# Altium PCB MCH_MAIN.PCBDOC (part 6 of 14) (continued)
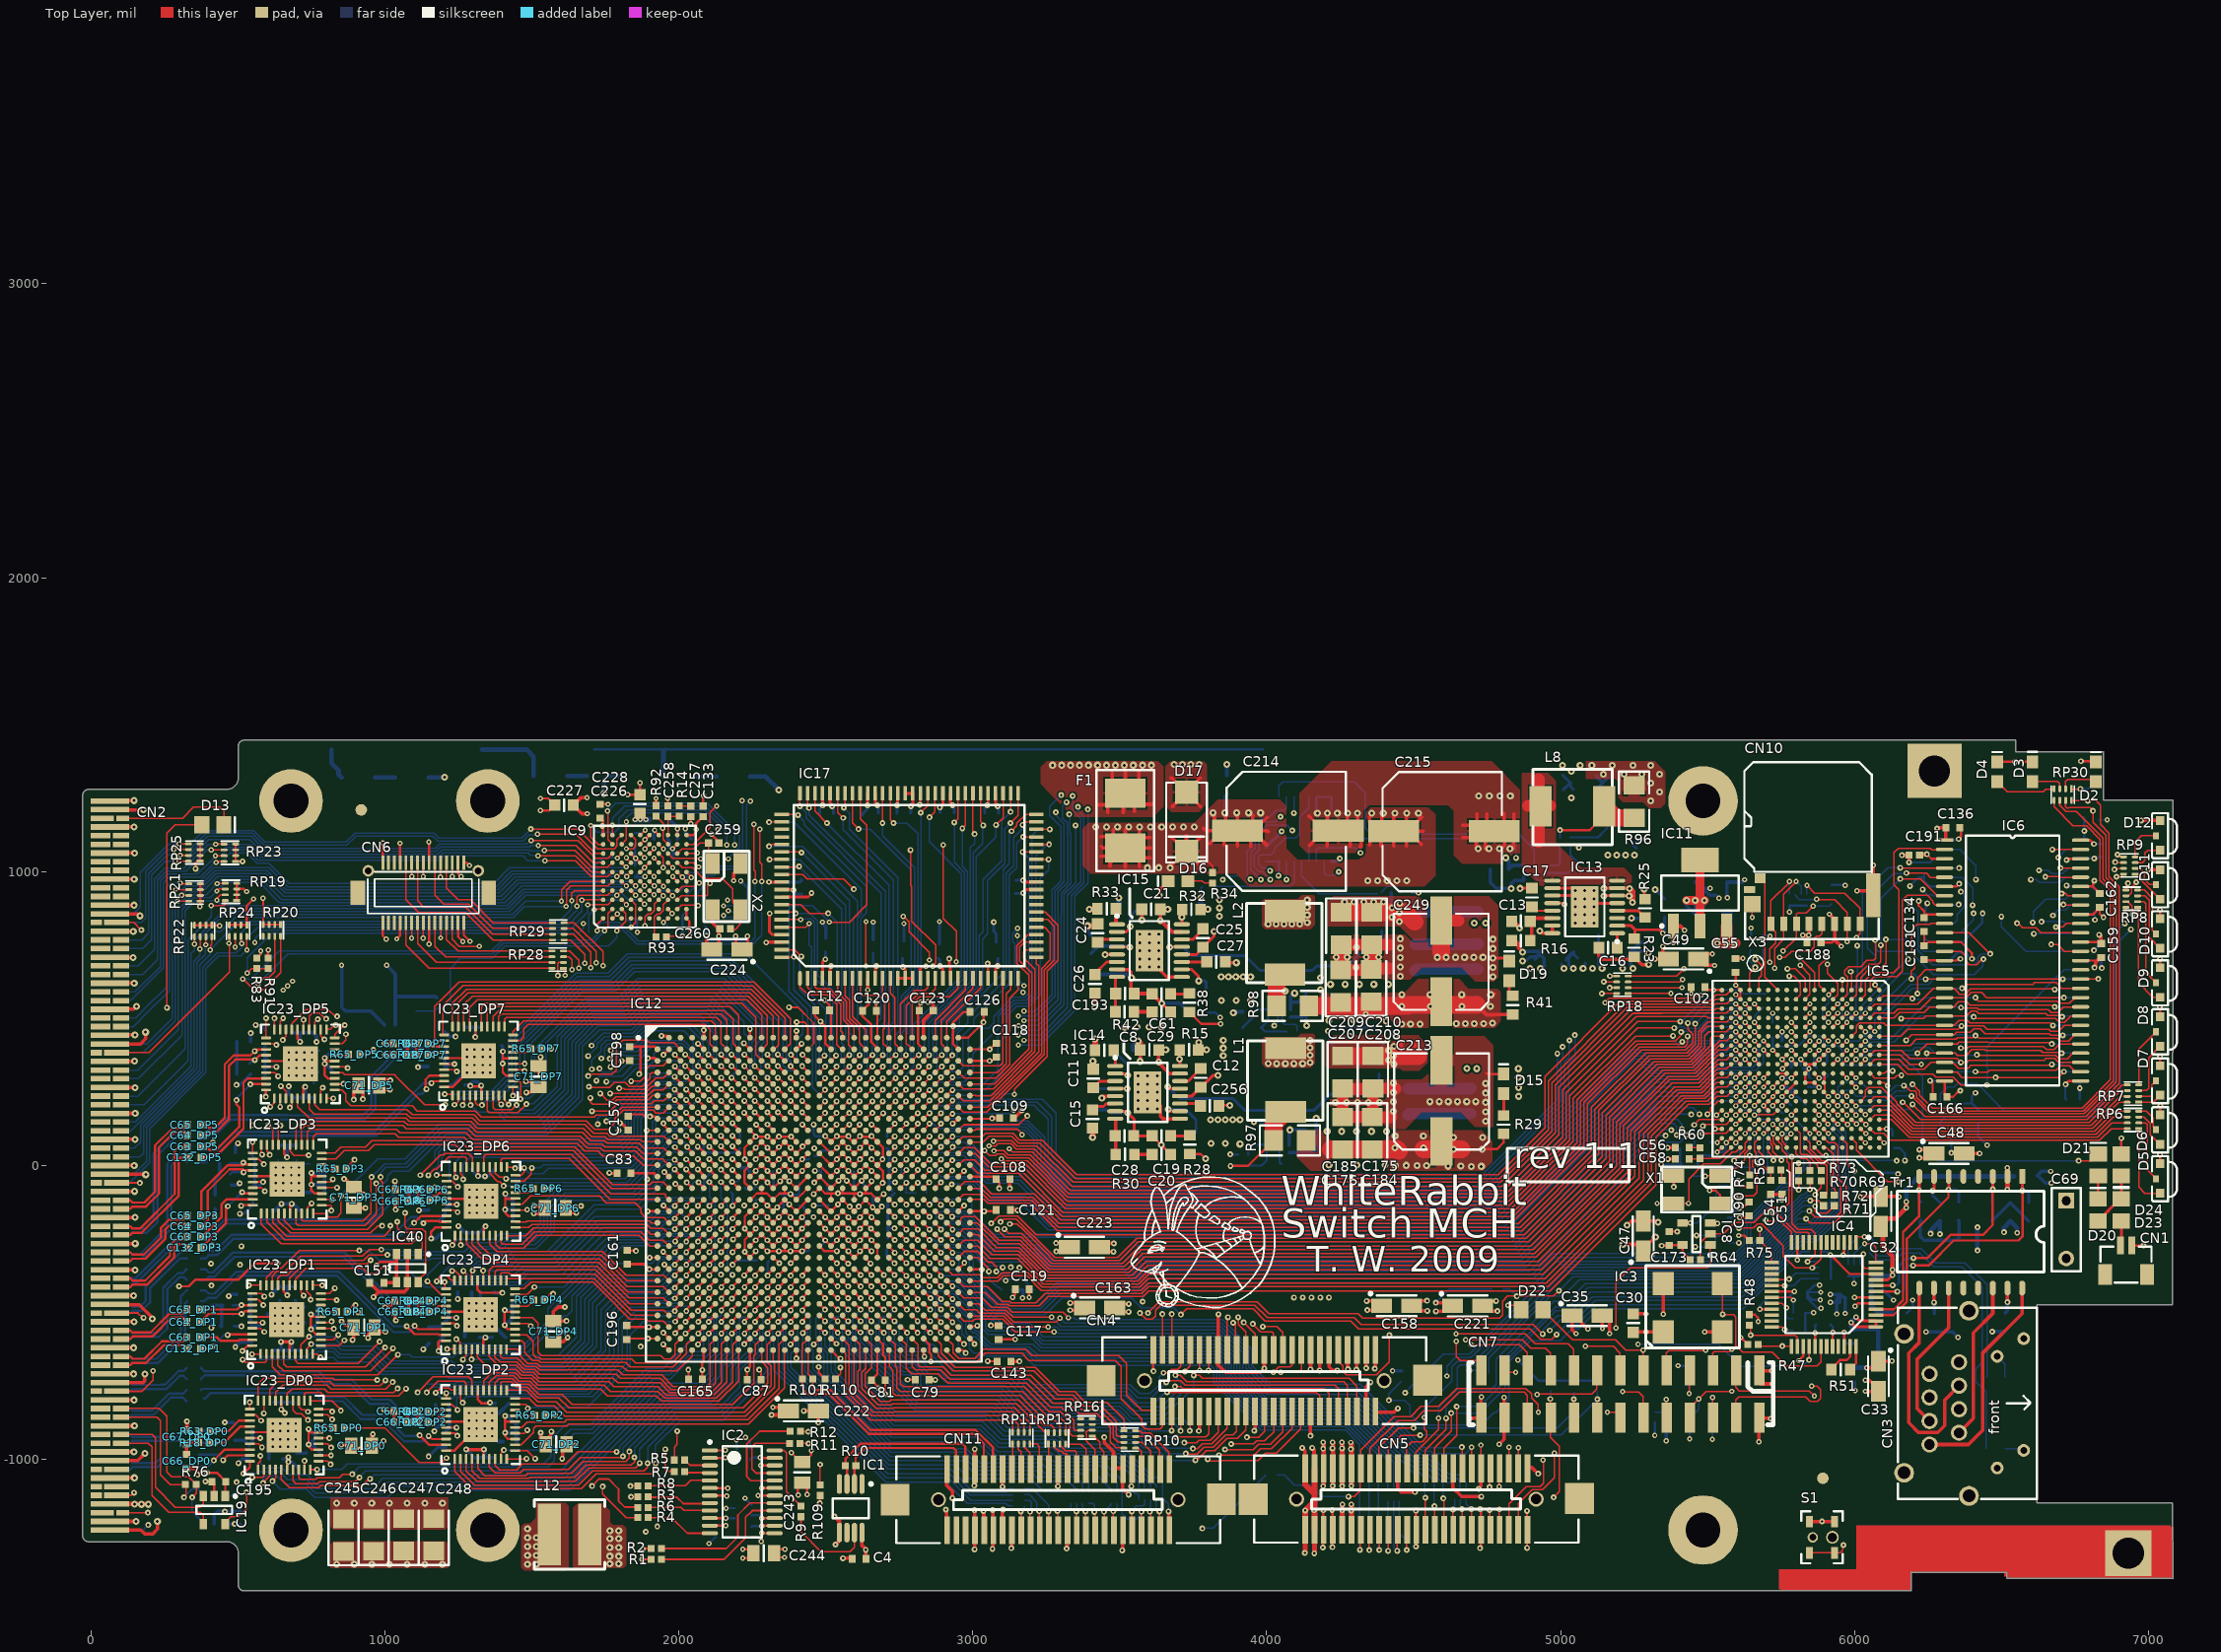
[diagram p0: Top Layer view]
## Nets (pads, with @x,y where several pads share a name; then routed paths per layer and width w, separated by ;. In a path a pad name is that pad's centre, name@x,y a point inside that pad or via, vN(x,y) a via of type N, cw(c..) or ccw(c..) an arc to the next point about the centre after c; other vN are vias at no path point) (continued)
DP1_TD8: IC12.T7 IC23_DP1.11 | length 1590.2
  Top Layer w5: IC23_DP1.11@783.12,-613.21 843.59,-613.21 v1@860.89,-595.91
  Top Layer w8: v1@2142.03,-179.45 2161.8,-159.69 IC12.T7@2161.8,-157.72
  MidLayer1 w5: v1(862.44,-594.62) 863.96,-594.62 864.8,-593.78 864.8,-592.5 1020.5,-436.8 1368.2,-436.8 1409.7,-395.3 1504.65,-395.3 1506.35,-393.6 1531.1,-393.6 1659,-265.7 1701.4,-265.7 1794,-173.1 1955.4,-173.1 1974,-154.5 2118.07,-154.5 v1@2144,-180.44
  other v1: 2143.4,-178.7
DP1_TD9: IC12.R7 IC23_DP1.12 | length 1600.3
  Top Layer w5: IC23_DP1.12@783.12,-593.53 824.77,-593.53 836.23,-582.07 836.23,-581.38 841.37,-576.24 v1(841.59,-576.24)
  Top Layer w8: v1@2142.03,-138.11 IC12.R7@2161.8,-118.35
  MidLayer1 w5: v1(841.59,-576.24) 841.37,-576.46 841.37,-577.85 841.7,-578.18 v1@846.6,-573.3 ; v1@844.17,-575.73 v1@846.6,-573.3 ; v1(2144,-137.13) 2125.27,-118.4 1827.3,-118.4 1692.6,-253.1 1648.2,-253.1 1517.7,-383.6 1402.2,-383.6 1360.69,-425.11 1008.54,-425.11 979.1,-454.55 979.1,-454.93 917.23,-516.8 903.1,-516.8 v1@846.6,-573.3
DP2_RD0: IC12.AD4 IC23_DP2.29 | length 1059.1
  Top Layer w5: IC23_DP2.29@1257.3,-764.43 1257.3,-797.02 v1@1266.16,-805.87
  Top Layer w8: v1@2027.86,-492.44 2027.86,-488.51 IC12.AD4@2043.69,-472.68
  Bottom Layer w5: v1(1265.2,-807.1) 1265.2,-799.3 1277.95,-786.55 1362,-786.55 ; 1366.96,-786.55 1362,-786.55 ; 1978.65,-512.13 1993.6,-512.13 ; v1(2025.89,-495.4) 2009.16,-512.13 1993.6,-512.13 ; 1362,-786.55 1706.55,-786.55 1706.95,-786.55 1824,-669.5 1824,-544.3 1856.17,-512.13 1993.6,-512.13
DP2_RD1: IC12.AC3 IC23_DP2.28 | length 1261.7
  Top Layer w5: v1(1142.6,-771.7) 1180.2,-734.1 1269.2,-734.1 1277.05,-741.95 IC23_DP2.28@1277.05,-764.36
  Top Layer w8: v1@1986.52,-453.07 v1(1986.52,-452.09) 1986.52,-451.11 IC12.AC3@2004.32,-433.31
  Bottom Layer w5: v1(1142.6,-771.7) 1159.6,-754.7 1240.17,-754.7 1248.33,-746.55 1661.75,-746.55 1763.8,-644.5 1763.8,-503.9 1808.04,-459.66 1884.28,-459.66 1884.52,-459.9 1961.4,-459.9 1969.21,-452.09 v1(1986.52,-452.09)
DP2_RD2: IC12.AB4 IC23_DP2.27 | length 1414.4
  Top Layer w5: v1(1111.8,-771.7) 1164.8,-718.7 1284.2,-718.7 1296.74,-731.24 IC23_DP2.27@1296.74,-764.36
  Top Layer w8: v1@2024.41,-415.18 2043.69,-395.91 IC12.AB4@2043.69,-393.94
  Bottom Layer w5: v1(1111.8,-771.7) 1137.8,-745.7 1137.8,-745.5 1139.8,-743.5 1237.23,-743.5 1244.18,-736.55 1644.75,-736.55 1750.8,-630.5 1750.8,-496.1 1798.8,-448.1 1948.4,-448.1 1955.56,-448.1 1968.3,-435.36 2007.19,-435.36 v1(2025.89,-416.66)
DP2_RD3: IC12.AG8 IC23_DP2.25 | length 1104.4
  Top Layer w5: IC23_DP2.25@1336.11,-764.36 1336.11,-732.79 1363.6,-705.3 1443.8,-705.3 1462,-723.5 1497.37,-723.5 1521.28,-747.42 1746.52,-747.42 1767.6,-768.5 1928.94,-768.5 1951.94,-791.5 2128,-791.5 2183,-736.5 2183,-608.96 IC12.AG8@2203.14,-588.82
DP2_RD4: IC12.AH8 IC23_DP2.24 | length 1052.6
  Top Layer w5: IC23_DP2.24@1355.79,-764.36 1355.79,-737.91 1378.4,-715.3 1438.43,-715.3 1456.63,-733.5 1493.23,-733.5 1521.01,-761.29 1734.99,-761.29 1757.8,-784.1 1924.4,-784.1 1941.8,-801.5 2063,-801.5 2135.6,-801.5 2203.14,-733.96 IC12.AH8@2203.14,-628.19
DP2_RD5: IC12.AG10 IC23_DP2.23 | length 1139.9
  Top Layer w5: IC23_DP2.23@1375.48,-764.36 1375.6,-764.24 1375.6,-738.9 1389.2,-725.3 1434.29,-725.3 1452.49,-743.5 1489.08,-743.5 1525.08,-779.5 1603.6,-779.5 1636.6,-812.5 1993.69,-812.5 2183.99,-812.5 2256,-740.49 2256,-647.3 2261.4,-641.9 2261.4,-609.3 IC12.AG10@2281.88,-588.82
DP2_RD6: IC12.AH10 IC23_DP2.22 | length 1128.5
  Top Layer w5: IC23_DP2.22@1395.16,-764.36 1394.8,-764 1394.8,-739.3 1398.6,-735.5 1430.35,-735.5 1448.35,-753.5 1484.94,-753.5 1521.62,-790.18 1592,-790.18 1626.92,-825.1 2218.63,-825.1 2303.2,-740.53 2303.2,-688.7 2281.88,-667.38 IC12.AH10@2281.88,-628.19
DP2_RD7: IC12.AG11 IC23_DP2.21 | length 1141.4
  Top Layer w5: IC23_DP2.21@1414.85,-764.36 1415.71,-763.5 1480.8,-763.5 1521.2,-803.9 1583.6,-803.9 1618.8,-839.1 2223.2,-839.1 2313.8,-748.5 2313.8,-681.9 2301.2,-669.3 2301.2,-608.87 IC12.AG11@2321.25,-588.82
DP2_RD8: IC12.AH11 IC23_DP2.20 | length 1076.8
  Top Layer w5: IC23_DP2.20@1443.39,-792.91 1491.61,-792.91 1516,-817.3 1576.8,-817.3 1612.4,-852.9 2227.8,-852.9 2326.2,-754.5 2326.2,-671.3 2321.25,-666.35 IC12.AH11@2321.25,-628.19
DP2_RD9: IC12.AE3 IC23_DP2.19 | length 758.2
  Top Layer w6: IC23_DP2.19@1443.39,-812.59 1480.09,-812.59 v1@1487,-819.5
  Top Layer w8: v1@1986.52,-533.78 1986.52,-529.85 IC12.AE3@2004.32,-512.05
  Bottom Layer w5: v1(1486.6,-826.1) 1489.6,-823.1 1689.6,-823.1 1835,-677.7 1835,-576.3 1880.47,-530.83 v1(1987.5,-530.83)
DP2_TD0: IC12.AD11 IC23_DP2.2 | length 1557.3
  Top Layer w5: IC23_DP2.2@1257.37,-998.61 1257.37,-1040.07 1305.4,-1088.1 1658.4,-1088.1 1707.4,-1039.1 1857,-1039.1 ; 1865.6,-1039.1 1857,-1039.1 ; v1(1894,-1013.1) 1894,-1027.1 1882,-1039.1 1857,-1039.1
  Top Layer w8: v1@2305.42,-490.48 2305.42,-486.54 IC12.AD11@2321.25,-470.71
  Bottom Layer w5: v1@1894,-1012.1 1894.6,-1011.5 1894.6,-957.7 1998.8,-853.5 2145.4,-853.5 2297.4,-701.5 2297.4,-590.87 2285.97,-579.43 ; 2286.65,-580.11 2285.97,-579.43 ; v1(2302.47,-492.44) 2285.97,-508.94 2285.97,-579.43
DP2_TD1: IC12.AE10 IC23_DP2.3 | length 1448.8
  Top Layer w5: IC23_DP2.3@1277.05,-998.61 1277.05,-1038.49 1313.46,-1074.9 1649.4,-1074.9 1695.2,-1029.1 1853.2,-1029.1 1867,-1015.3 v1(1867,-1012.5)
  Top Layer w8: v1@2258.17,-529.85 IC12.AE10@2275.97,-512.05
  Bottom Layer w5: v1@1867.6,-1011.9 v1(1867,-1012.5) 1867,-965.5 1990.8,-841.7 2140,-841.7 2254,-727.7 2254,-667.7 2283.2,-638.5 2283.2,-591.3 2275.66,-583.76 2275.66,-548.31 v1(2259.16,-531.81)
DP2_TD2: IC12.AF10 IC23_DP2.4 | length 1355.6
  Top Layer w5: IC23_DP2.4@1296.74,-998.61 1296.74,-1038.24 1323.4,-1064.9 1490.6,-1064.9 1495.2,-1060.3 1644.8,-1060.3 1686,-1019.1 1838.7,-1019.1 1849.5,-1008.3 v1@1849.5,-993
  Top Layer w8: v1@2260.14,-569.22 2275.97,-553.39 IC12.AF10@2275.97,-551.42
  Bottom Layer w5: v1@1849.6,-992.3 1849.6,-960.9 1851.4,-959.1 1851.6,-959.1 1981.2,-829.5 2127.6,-829.5 2132.4,-829.5 2207.4,-754.5 2207.4,-697.7 2270.8,-634.3 2270.8,-595.7 2259.16,-584.06 v1(2259.16,-571.18)
  other v1: 1849.2,-992.7
DP2_TD3: IC12.AE9 IC23_DP2.5 | length 1353
  Top Layer w5: IC23_DP2.5@1316.42,-998.61 1316.42,-1031.32 1340,-1054.9 1478.8,-1054.9 1486.6,-1047.1 1635.4,-1047.1 1675.5,-1007 1820.3,-1007 1831.7,-995.6 1831.7,-973 v1(1831.8,-972.9)
  Top Layer w8: v1@2224.71,-531.81 2224.71,-527.88 IC12.AE9@2242.51,-510.08
  Bottom Layer w5: v1(1831.8,-972.9) 1831.8,-960.3 1974.6,-817.5 2121.2,-817.5 2195.8,-742.9 2195.8,-689.5 2259.4,-625.9 2259.4,-604.17 2240.6,-585.37 2240.6,-548.69 v1(2223.73,-531.81)
DP2_TD4: IC12.AF9 IC23_DP2.7 | length 1223.2
  Top Layer w5: IC23_DP2.7@1355.79,-998.61 1355.79,-1025.29 1375.4,-1044.9 1461.6,-1044.9 1472.2,-1034.3 1625,-1034.3 1666,-993.3 1806.2,-993.3 v1(1810,-989.5)
  Top Layer w8: v1@2226.68,-567.25 2242.51,-551.42 IC12.AF9@2242.51,-549.45
  Bottom Layer w5: v1@1812,-987.5 1812,-959.7 1965,-806.7 2073,-806.7 2075.6,-806.7 2108.8,-806.7 2176,-739.5 2176,-691.7 2242.8,-624.9 2242.8,-600.3 2223.73,-581.23 v1(2223.73,-571.18)
DP2_TD5: IC12.AD10 IC23_DP2.8 | length 1277.4
  Top Layer w5: IC23_DP2.8@1375.48,-998.61 1375.48,-1019.78 ; 1378.55,-1022.85 1375.48,-1019.78 ; v1(1788.6,-974.1) 1657.6,-974.1 1615.6,-1016.1 1468,-1016.1 1449.2,-1034.9 1390,-1034.9 1375.48,-1020.38 1375.48,-1019.78
  Top Layer w8: v1@2260.14,-492.44 2260.14,-488.51 IC12.AD10@2275.97,-472.68
  Bottom Layer w5: v1(1788.6,-974.1) 1800,-962.7 1800,-954.7 1829,-925.7 ; 1822.2,-932.5 1829,-925.7 ; v1(2259.16,-492.44) 2236.29,-515.31 2216.89,-515.31 2207.23,-524.98 2207.23,-580.79 2206.3,-581.72 2206.3,-645 2162.6,-688.7 2162.6,-733.9 2100.4,-796.1 1958.6,-796.1 1829,-925.7
DP2_TD6: IC12.AF5 IC23_DP2.9 | length 891.3
  Top Layer w5: IC23_DP2.9@1395.16,-998.61 1395.16,-978.34 v1@1410,-963.5
  Top Layer w8: v1@2065.26,-571.18 2081.09,-555.36 IC12.AF5@2081.09,-553.39
  Bottom Layer w5: v1(1405,-968.1) 1528.35,-968.1 1614.15,-882.3 1699,-882.3 1891.6,-689.7 1947.73,-689.7 2046,-591.43 2046.66,-590.76 v1(2066.24,-571.18)
DP2_TD7: IC12.AC11 IC23_DP2.10 | length 1250.4
  Top Layer w5: IC23_DP2.10@1414.85,-998.61 v1@1479.49,-998.61
  Top Layer w8: v1@2303.45,-451.11 2303.45,-449.14 IC12.AC11@2321.25,-431.34
  MidLayer1 w5: v1(1482.4,-997.5) 1515,-1030.1 1620.4,-1030.1 1740.6,-909.9 1906.6,-909.9 2052.2,-764.3 2138.2,-764.3 2285.8,-616.7 2285.8,-469.74 v1(2302.47,-453.07)
DP2_TD8: IC12.AB10 IC23_DP2.11 | length 1250
  Top Layer w5: IC23_DP2.11@1443.39,-970.07 1484.37,-970.07 v1(1511.4,-997.1)
  Top Layer w8: v1@2256.21,-415.67 2275.97,-395.91 IC12.AB10@2275.97,-393.94
  MidLayer1 w5: v1(1511.4,-997.1) 1528.9,-1014.6 1618.1,-1014.6 1737.4,-895.3 1903.6,-895.3 2046,-752.9 2130.4,-752.9 2275.6,-607.7 2275.6,-578.08 2275.66,-578.02 2275.66,-430.2 v1(2259.16,-413.7)
DP2_TD9: IC12.AH12 IC23_DP2.12 | length 1134.3
  Top Layer w5: IC23_DP2.12@1443.39,-950.39 1464.56,-950.39 1506.03,-908.93 1506.03,-894.67 1514.8,-885.9 1619.4,-885.9 1626,-879.3 2238,-879.3 2360.3,-757 2360.3,-628.51 IC12.AH12@2360.62,-628.19
DP3_RD0: IC12.E2 IC23_DP3.29 | length 1571.8
  Top Layer w5: IC23_DP3.29@598.77,71.3 598.7,71.24 598.7,48.49 607.56,39.63 v1@607.56,29.79 ; v1(1732.6,244.9) 1733.49,244.9 1756.39,222 1774.42,222 1785.92,233.5 1890.49,233.5 1914.97,257.98 1946.89,257.98 1966.23,277.32 IC12.E2@1966.91,277.32
  MidLayer1 w5: v1(608.87,36.1) 608.87,59.67 629.8,80.6 676.58,80.6 685.68,89.7 1552.77,89.7 1622.2,159.13 1622.2,203.13 1631.67,212.6 1717.5,212.6 1732.6,227.7 v1(1732.6,244.9)
DP3_RD1: IC12.D1 IC23_DP3.28 | length 1567.5
  Top Layer w5: v1(603.6,137.3) 618.45,122.45 IC23_DP3.28@618.45,71.3 ; v1@1693.8,275.3 1703.3,265.8 1764.2,265.8 1781.1,282.7 1817.45,282.7 1830.85,269.3 1869.19,269.3 1876,269.3 1901.6,294.9 1901.6,310.5 1907.79,316.69 IC12.D1@1927.54,316.69 1910.81,316.69
  MidLayer1 w5: v1(603.6,137.3) 603.6,135.7 618.4,120.9 ; 617.4,121.9 618.4,120.9 ; 1660.6,267.7 1660.8,267.9 ; v1(1694.2,267.9) 1660.8,267.9 ; 618.4,120.9 622.7,116.6 661.67,116.6 670.77,125.7 1526.6,125.7 1582.4,181.5 1582.4,241.5 1608.8,267.9 1660.8,267.9
DP3_RD2: IC12.C3 IC23_DP3.27 | length 1598.7
  Top Layer w5: IC23_DP3.27@638.14,71.3 638.14,129.84 v1(644.4,136.1)
  Top Layer w8: v1@1986.6,375.75 1987.87,375.75 IC12.C3@2006.61,357
  MidLayer1 w5: v1(644.4,136.1) 646,137.7 665.8,137.7 ; 665.6,137.5 665.8,137.7 ; v1(1719.8,288.7) 1717.6,286.5 1608.2,286.5 1568,246.3 1568,186.9 1518.8,137.7 668.8,137.7 665.8,137.7
  Bottom Layer w5: v1@1720,293.5 1731.3,304.8 1807.3,304.8 1846.6,344.1 1904.4,344.1 1915.6,355.3 1915.6,380.3 1928.6,393.3 1970.31,393.3 v1(1986.93,376.68)
DP3_RD3: IC12.F2 IC23_DP3.25 | length 1421.6
  Top Layer w5: IC23_DP3.25@677.51,71.3 677.51,48.79 691.4,34.9 v1(741.4,34.9) ; v1(1704.8,184.9) 1765.6,184.9 1790.43,209.73 1907.6,209.73 1917.37,219.5 1928.89,219.5 1948.46,219.5 IC12.F2@1966.91,237.95
  MidLayer1 w5: v1(741.4,34.9) 741.4,49.3 757.8,65.7 1562.71,65.7 1646.4,149.39 1646.4,168.9 1662.4,184.9 v1(1704.8,184.9)
DP3_RD4: IC12.L2 IC23_DP3.24 | length 1377.9
  Top Layer w5: IC23_DP3.24@697.19,71.3 698.4,72.51 698.4,124.7 723.6,149.9 1065.49,149.9 1078.09,137.3 1287.97,137.3 1312.57,112.7 1671.8,112.7 1700,84.5 1746.8,84.5 1755.2,76.1 1865.54,76.1 1881.74,59.9 1948.11,59.9 IC12.L2@1966.91,41.1
DP3_RD5: IC12.L1 IC23_DP3.23 | length 1307
  Top Layer w5: IC23_DP3.23@716.88,71.3 716.88,122.78 730.2,136.1 1062.6,136.1 1073.4,125.3 1283,125.3 1309,99.3 1665.8,99.3 1693,72.1 1740,72.1 1749.2,62.9 1856.8,62.9 1878.6,41.1 IC12.L1@1927.54,41.1
DP3_RD6: IC12.M2 IC23_DP3.22 | length 1326.3
  Top Layer w5: IC23_DP3.22@736.56,71.3 736.56,114.26 745.4,123.1 1039.8,123.1 1051.8,111.1 1277.2,111.1 1300.2,88.1 1660.6,88.1 1689.4,59.3 1734.4,59.3 1745.2,48.5 1853.2,48.5 1880,21.7 1946,21.7 1954.6,13.1 ; 1955.54,13.1 IC12.M2@1966.91,1.73
DP3_RD7: IC12.M1 IC23_DP3.21 | length 1243.9
  Top Layer w5: IC23_DP3.21@757.2,72.25 757.2,97.3 767.2,107.3 1035.2,107.3 1046.5,96 1269.1,96 1290,75.1 1654.6,75.1 1680.8,48.9 1725.8,48.9 1741.4,33.3 1847.2,33.3 1879.6,0.9 1926.71,0.9 IC12.M1@1927.54,1.73
DP3_RD8: IC12.P2 IC23_DP3.20 | length 1272.3
  Top Layer w5: IC23_DP3.20@784.79,42.76 829.86,42.76 850,62.9 934.8,62.9 956.2,84.3 1257.2,84.3 1278.6,62.9 1646.82,62.9 1774.22,-64.5 1902.2,-64.5 1909.6,-57.1 1947,-57.1 IC12.P2@1966.91,-77.01
DP3_RD9: IC12.P1 IC23_DP3.19 | length 1224.1
  Top Layer w5: IC23_DP3.19@784.79,23.07 834.17,23.07 861.6,50.5 945,50.5 964.8,70.3 1239.2,70.3 1259,50.5 1642.25,50.5 1770.65,-77.9 1926.65,-77.9 IC12.P1@1927.54,-77.01
DP3_TD0: IC12.H5 IC23_DP3.2 | length 1795.8
  Top Layer w5: IC23_DP3.2@598.77,-162.95 598.77,-193.01 658.66,-252.9 1065.2,-252.9 1070,-248.1 v1@1086.6,-248.1
  Top Layer w8: v1(2064.68,179.83) 2085.02,159.49 IC12.H5@2085.02,159.21
  MidLayer1 w5: v1@1086.6,-248.1 1086.6,-251.5 1113,-277.9 1173.6,-277.9 1214,-237.5 1457.15,-237.5 1737.45,42.8 1746.28,42.8 1824,120.52 1824,165.5 1854.83,196.33 2048.18,196.33 v1(2064.68,179.83)
  other v1: 1082.6,-247.7
DP3_TD1: IC12.H7 IC23_DP3.3 | length 1889.2
  Top Layer w5: IC23_DP3.3@618.45,-162.95 618.45,-193.35 665.4,-240.3 997.8,-240.3 1019,-219.1 v1(1019,-204.9)
  Top Layer w8: v1(2143.42,179.83) 2163.77,159.49 IC12.H7@2163.77,159.21
  MidLayer1 w5: v1(1019,-204.9) 1027.9,-213.8 1151.16,-213.8 1186.76,-178.2 1261.79,-178.2 1263.09,-179.5 1271,-179.5 1409.69,-179.5 1440.3,-148.89 1440.3,-125.92 1547.72,-18.5 1615.28,-18.5 1771.5,137.72 1771.5,176.2 1835.92,240.62 2070.54,240.62 2086.2,224.96 2086.2,214.4 2099,201.6 2125.6,201.6 2144.5,182.7 v1@2144.5,180.6
DP3_TD2: IC12.H6 IC23_DP3.4 | length 1792.6
  Top Layer w5: IC23_DP3.4@638.14,-162.95 638.14,-188.04 679.4,-229.3 951.8,-229.3 975.6,-205.5 v1(991.2,-205.5)
  Top Layer w8: v1(2104.05,179.83) 2124.39,159.49 IC12.H6@2124.39,159.21
  MidLayer1 w5: v1(991.2,-205.5) 991.2,-218.5 1002,-229.3 1149.8,-229.3 1190.9,-188.2 1257.65,-188.2 1258.95,-189.5 1418.8,-189.5 1454.8,-153.5 1454.8,-129.1 1553.4,-30.5 1617.43,-30.5 1781.5,133.57 1781.5,164 1828.08,210.58 1964.15,210.58 1968.4,206.33 2077.55,206.33 v1(2104.05,179.83)
DP3_TD3: IC12.D8 IC23_DP3.5 | length 2247.6
  Top Layer w5: IC23_DP3.5@657.82,-162.95 657.82,-187.45 687.27,-216.9 940.8,-216.9 992.7,-165 992.7,-58.05 985,-50.35 v1@985,-40.1
  Top Layer w8: v1(2179.84,338.3) 2181.53,338.3 IC12.D8@2203.14,316.69
  Bottom Layer w5: v1(986,-39.1) 986,-24.1 1003.96,-6.14 1076.04,-6.14 1198,115.81 1544.07,115.81 1660.3,232.04 1660.3,409.24 1725.5,474.44 1834.14,474.44 1896.4,536.7 2096,536.7 2163.34,469.36 2163.34,354.8 v1(2179.84,338.3)
DP3_TD4: IC12.C7 IC23_DP3.7 | length 2107.8
  Top Layer w5: 697.19,-192.62 697.19,-190.1 ; IC23_DP3.7@697.19,-162.95 697.19,-190.1 ; v1(971,-61.1) 971,-165.9 932.4,-204.5 704,-204.5 697.19,-197.69 697.19,-190.1
  Top Layer w8: v1@2144.41,375.42 IC12.C7@2163.77,356.06
  Bottom Layer w5: v1(971,-61.1) 996.14,-61.1 1010.14,-47.1 1010.14,-35.04 1025.54,-19.64 1082.54,-19.64 1206,103.81 1551.81,103.81 1672.3,224.3 1672.3,404.27 1730.47,462.44 1839.11,462.44 1898.57,521.9 2092.42,521.9 2144.41,469.91 2144.41,404.9 ; v1(2144.41,377.67) 2144.41,404.9 ; 2144.41,409.49 2144.41,404.9
DP3_TD5: IC12.C8 IC23_DP3.8 | length 2123.7
  Top Layer w5: IC23_DP3.8@716.88,-163.37 716.88,-184.3 721.76,-189.19 925.51,-189.19 953.5,-161.2 953.5,-40.6 v1(955,-39.1) ; IC23_DP3.8@716.88,-162.95 IC23_DP3.8@717.35,-163.37
  Top Layer w8: v1@2181.53,377.67 IC12.C8@2203.14,356.06
  Bottom Layer w5: v1(955,-39.1) 1000,5.9 1070,5.9 1191.91,127.81 1539.1,127.81 1648.3,237.01 1648.3,415.54 1719.2,486.44 1829.17,486.44 1892.23,549.5 2100.6,549.5 2179.84,470.26 v1(2179.84,377.67)
DP3_TD6: IC12.D2 IC23_DP3.9 | length 1523.2
  Top Layer w5: IC23_DP3.9@736.56,-162.95 736.56,-143.01 750.87,-128.7 v1(751.07,-128.9) ; v1(1797.4,262.7) 1813.2,262.7 1816.6,259.3 1882.8,259.3 1921.2,297.7 1947.4,297.7 1966.39,316.69 IC12.D2@1966.91,316.69
  MidLayer1 w5: v1(751.07,-128.9) 782.4,-97.57 782.4,15.9 818.8,52.3 1592.4,52.3 1707.5,167.4 1712.21,167.4 1713.01,168.2 1725.1,168.2 1797.4,240.5 v1(1797.4,262.7)
DP3_TD7: IC12.E8 IC23_DP3.10 | length 2137.8
  Top Layer w5: IC23_DP3.10@756.25,-162.95 797.45,-162.95 809.4,-174.9 838.6,-174.9 851,-162.5 v1@851,-103.1
  Top Layer w8: v1(2179.84,298.93) 2181.53,298.93 IC12.E8@2203.14,277.32
  Bottom Layer w5: v1(851,-102.1) 975.96,22.86 1067.96,22.86 1184.91,139.81 1534.13,139.81 1636.3,241.98 1636.3,420.51 1714.23,498.44 1824.2,498.44 1887.26,561.5 2106,561.5 2194,473.5 2194,401.7 2196.34,399.36 2196.34,322.86 2179.84,306.36 v1(2179.84,298.93)
DP3_TD8: IC12.C2 IC23_DP3.11 | length 1582.9
  Top Layer w5: IC23_DP3.11@801.91,-134.41 784.79,-134.41 815.51,-134.41 818.6,-137.5 v1(818.6,-153.5) ; v1(1838.1,286.8) 1870.1,286.8 1888,304.7 1888,327.3 1900.42,339.72 1947.22,339.72 1963.56,356.06 IC12.C2@1966.91,356.06
  MidLayer1 w5: v1(818.6,-153.5) 793.4,-128.3 793.4,4.7 827.6,38.9 901,38.9 ; 898.8,38.9 901,38.9 ; v1(1838.1,286.8) 1838.1,267.06 1729.24,158.2 1717.15,158.2 1597.85,38.9 901,38.9
DP3_TD9: IC12.D3 IC23_DP3.12 | length 1507.4
  Top Layer w5: IC23_DP3.12@784.79,-114.73 819.63,-114.73 v1(821.54,-116.71) v1(821.54,-116.71)
  Top Layer w8: v1(1986.93,337.31) 2006.28,317.96 IC12.D3@2006.28,316.69
  MidLayer1 w5: v1(821.54,-116.71) v1(821.54,-116.71) 804.4,-99.5 804.4,-35.1 839.4,-0.1 1160.64,-0.1 1186.64,25.9 1609.6,25.9 v1(1724.4,140.7)
  Bottom Layer w5: v1(1724.4,140.7) v1@1724.4,143.6 ; v1@1727.3,146.5 v1@1724.4,143.6 ; v1(1986.93,337.31) 1963.52,313.9 1897.6,313.9 1751.9,168.2 1732.2,168.2 1724.4,160.4 v1@1724.4,143.6
DP4_RD0: IC12.T3 IC23_DP4.29 | length 931.9
  Top Layer w5: v1(1229.4,-358.3) 1239.6,-358.3 1256.29,-374.99 1256.29,-390.56 IC23_DP4.29@1256.23,-390.63
  Top Layer w8: v1@1985.04,-178.96 2004.32,-159.69 IC12.T3@2004.32,-157.72
  Bottom Layer w5: v1(1229.4,-358.3) 1239.6,-358.3 1266.7,-385.4 1450.7,-385.4 1477,-359.1 1591.6,-359.1 1740.2,-210.5 1920.6,-210.5 1941.4,-189.7 1974.6,-189.7 1983.86,-180.44 v1(1986.52,-180.44)
DP4_RD1: IC12.T4 IC23_DP4.28 | length 929.6
  Top Layer w5: v1(1267.55,-358.7) 1275.98,-367.12 IC23_DP4.28@1275.98,-390.56
  Top Layer w8: v1@2023.92,-179.45 2043.69,-159.69 IC12.T4@2043.69,-157.72
  Bottom Layer w5: v1(1267.55,-358.7) 1284.25,-375.4 1437.9,-375.4 1467,-346.3 1583.6,-346.3 1731.4,-198.5 1805.4,-198.5 ; 1800.75,-198.5 1805.4,-198.5 ; v1(2025.89,-180.44) 2014.56,-169.1 2013.8,-169.1 2008.64,-163.94 1979.69,-163.94 1966.32,-177.3 1935,-177.3 1913.8,-198.5 1805.4,-198.5
DP4_RD2: IC12.R3 IC23_DP4.27 | length 839.7
  Top Layer w5: IC23_DP4.27@1295.66,-390.56 1295.66,-362.84 v1@1299.4,-359.1
  Top Layer w8: v1@1984.55,-138.11 IC12.R3@2004.32,-118.35
  Bottom Layer w5: v1(1299.2,-357.9) 1319,-338.1 1431.8,-338.1 1451,-318.9 1570.2,-318.9 1714.6,-174.5 1902.2,-174.5 1921.6,-155.1 1956.2,-155.1 1974.17,-137.13 v1(1986.52,-137.13)
DP4_RD3: IC12.R4 IC23_DP4.25 | length 848.1
  Top Layer w5: IC23_DP4.25@1335.03,-390.56 v1@1335.03,-352.73
  Top Layer w8: v1@2023.92,-138.11 IC12.R4@2043.69,-118.35
  Bottom Layer w5: v1(1335,-357.9) 1433.6,-357.9 1460,-331.5 1578.8,-331.5 1723.8,-186.5 1907.17,-186.5 1927.57,-166.1 1960.8,-166.1 1971.96,-154.94 2008.08,-154.94 v1(2025.89,-137.13)
DP4_RD4: IC12.AD2 IC23_DP4.24 | length 705.5
  Top Layer w5: IC23_DP4.24@1354.72,-390.56 1354.72,-356.18 1368.6,-342.3 1436.8,-342.3 1721.88,-342.3 1830.68,-451.1 1947.3,-451.1 IC12.AD2@1966.91,-470.71
DP4_RD5: IC12.AD1 IC23_DP4.23 | length 632.8
  Top Layer w5: IC23_DP4.23@1374.8,-390.16 1374.8,-361.7 1382.2,-354.3 1427.85,-354.3 1716.91,-354.3 1833.32,-470.71 1902.59,-470.71 ; 1902.4,-470.9 1902.59,-470.71 ; IC12.AD1@1927.54,-470.71 1902.59,-470.71
DP4_RD6: IC12.AE2 IC23_DP4.22 | length 657
  Top Layer w5: IC23_DP4.22@1394.09,-390.56 1394.09,-368.41 1398.17,-364.33 1420.91,-364.33 1427.28,-370.7 1716.34,-370.7 1837.74,-492.1 1948.93,-492.1 IC12.AE2@1966.91,-510.08
DP4_RD7: IC12.AE1 IC23_DP4.21 | length 567
  Top Layer w5: IC23_DP4.21@1412.6,-384.3 1492.63,-384.3 1712.97,-384.3 1838.57,-509.9 1927.36,-509.9 IC12.AE1@1927.54,-510.08
DP4_RD8: IC12.AF2 IC23_DP4.20 | length 600.8
  Top Layer w5: IC23_DP4.20@1444,-417.42 1442.32,-419.11 1474.79,-419.11 1497.9,-396 1708.79,-396 1748.97,-436.18 1748.97,-437.27 1833.6,-521.9 1888.6,-521.9 1896.4,-529.7 1947.16,-529.7 IC12.AF2@1966.91,-549.45
DP4_RD9: IC12.U6 IC23_DP4.19 | length 787.2
  Top Layer w5: IC23_DP4.19@1442.32,-438.79 1483.91,-438.79 v1(1509.2,-413.5) 1511.6,-411.1 v1@1513.6,-411.1
  Top Layer w8: v1@2106.6,-214.88 2106.6,-212.92 IC12.U6@2124.39,-195.12
  Bottom Layer w5: v1(1509.2,-413.5) 1609.8,-413.5 1781,-242.3 1935.32,-242.3 1945.21,-232.41 2086.49,-232.41 2103.03,-215.87 v1(2104.63,-215.87)
DP4_TD0: IC12.V6 IC23_DP4.2 | length 1124.1
  Top Layer w5: v1@1244.1,-589.6 1256.29,-601.79 IC23_DP4.2@1256.29,-624.81
  Top Layer w8: v1@2108.57,-254.25 2108.57,-250.32 IC12.V6@2124.39,-234.49
  Bottom Layer w5: v1(1243,-590.7) 1258.6,-606.3 1326.25,-606.3 1333.55,-613.6 1370,-613.6 1372.9,-613.6 1470.5,-613.6 1554.3,-529.8 1554.3,-487.4 1789.4,-252.3 1939.46,-252.3 1950.35,-241.41 2086.86,-241.41 v1(2104.63,-259.18)
DP4_TD1: IC12.W4 IC23_DP4.3 | length 1068.3
  Top Layer w5: v1@1264.5,-658.6 1275.98,-647.12 IC23_DP4.3@1275.98,-624.81
  Top Layer w8: v1@2025.89,-297.56 v1(2025.89,-294.61) 2025.89,-293.62 IC12.W4@2043.69,-275.83
  Bottom Layer w5: v1(1266,-660.1) 1289.8,-636.3 1313.83,-636.3 1323.42,-645.9 1590.8,-645.9 1652,-584.7 1652,-445.7 1764.9,-332.8 1908.2,-332.8 1929.89,-311.11 2009.39,-311.11 v1(2025.89,-294.61)
DP4_TD2: IC12.Y5 IC23_DP4.4 | length 1150.6
  Top Layer w5: v1@1294,-661.5 1295.66,-659.84 IC23_DP4.4@1295.66,-624.81
  Top Layer w8: v1@2067.23,-332.99 2083.06,-317.17 IC12.Y5@2083.06,-315.2
  Bottom Layer w5: v1@1294,-661.5 v1@1294.6,-660.9 ; v1(1295.2,-659.5) 1295.4,-659.3 1601.2,-659.3 1667.6,-592.9 1667.6,-448.9 1743.6,-372.9 1859.2,-372.9 ; 1784.2,-372.9 1859.2,-372.9 ; v1(2065.26,-337.92) 2049.23,-337.92 2031.42,-320.11 1937.59,-320.11 1928.2,-329.5 1928.2,-347.64 1902.94,-372.9 1859.2,-372.9
DP4_TD3: IC12.AH7 IC23_DP4.5 | length 1056.9
  Top Layer w5: IC23_DP4.5@1315.35,-624.81 1315.35,-652.05 1356.6,-693.3 1445.94,-693.3 1466.14,-713.5 1501.51,-713.5 1523.96,-735.94 1762.64,-735.94 1779,-752.3 1928,-752.3 1957.2,-781.5 2120,-781.5 2163.77,-737.73 IC12.AH7@2163.77,-628.19
DP4_TD4: IC12.AG7 IC23_DP4.7 | length 1036.8
  Top Layer w5: IC23_DP4.7@1354.72,-624.81 1355,-625.1 1355,-650.1 1385.6,-680.7 1447.48,-680.7 1470.28,-703.5 1505.65,-703.5 1525.23,-723.07 1645.17,-723.07 1776.57,-723.07 1793,-739.5 1936.4,-739.5 1968.4,-771.5 2112,-771.5 2145,-738.5 2145,-607.59 IC12.AG7@2163.77,-588.82
DP4_TD5: IC12.AH6 IC23_DP4.8 | length 942.9
  Top Layer w5: IC23_DP4.8@1374.4,-624.82 1374.4,-651.1 1391.8,-668.5 1449.43,-668.5 1474.43,-693.5 1509.79,-693.5 1525.9,-709.6 1787.1,-709.6 1800.8,-723.3 1936.4,-723.3 1974.6,-761.5 2103.2,-761.5 2124.39,-740.3 IC12.AH6@2124.39,-628.19
DP4_TD6: IC12.AG6 IC23_DP4.9 | length 944.5
  Top Layer w5: IC23_DP4.9@1394.09,-624.81 1394.2,-624.93 1394.2,-649.7 ; 1394.2,-649.05 1394.2,-649.7 ; IC12.AG6@2124.39,-588.82 2105.6,-607.62 2105.6,-742.7 2096.8,-751.5 1981.2,-751.5 1941.8,-712.1 1809,-712.1 1792.8,-695.9 1526.34,-695.9 1513.94,-683.5 1478.57,-683.5 1450.57,-655.5 1400,-655.5 1394.2,-649.7
DP4_TD7: IC12.AH4 IC23_DP4.10 | length 711
  Top Layer w5: IC23_DP4.10@1413.77,-624.81 1450.11,-624.81 1461.4,-636.1 1461.4,-648.18 1486.72,-673.5 1518.08,-673.5 1527.64,-683.06 1808.16,-683.06 1824.4,-699.3 1994.6,-699.3 2045.65,-648.25 IC12.AH4@2045.65,-628.19
DP4_TD8: IC12.AG4 IC23_DP4.11 | length 717
  Top Layer w5: IC23_DP4.11@1442.32,-596.27 1466.37,-596.27 1475.6,-605.5 1475.6,-636.3 1502.8,-663.5 1522.22,-663.5 1529.51,-670.79 1819.49,-670.79 1834.2,-685.5 1980.8,-685.5 2026.2,-640.1 2026.2,-608.28 IC12.AG4@2045.65,-588.82
DP4_TD9: IC12.AH3 IC23_DP4.12 | length 654.9
  Top Layer w5: IC23_DP4.12@1442.32,-576.59 1481.89,-576.59 1503.93,-598.63 1503.93,-642.17 1515.26,-653.5 1526.36,-653.5 1531.78,-658.92 1840.6,-658.92 1852.88,-671.2 1977.7,-671.2 2006.28,-642.62 IC12.AH3@2006.28,-628.19
DP5_RD0: IC12.E12 IC23_DP5.29 | length 2027.8
  Top Layer w5: IC23_DP5.29@644.37,462.7 644.37,491.07 v1(654.4,501.1)
  Top Layer w8: v1(2337.32,298.93) 2339.01,298.93 IC12.E12@2360.62,277.32
  MidLayer1 w5: v1@653.4,502.1 v1(654.4,501.1) 656.4,501.1 700.8,545.5 725.8,545.5 811,630.7 1532.28,630.7 1580.08,582.9 2185.72,582.9 2320.2,448.42 2320.2,316.05 v1(2337.32,298.93)
DP5_RD1: IC12.F11 IC23_DP5.28 | length 2054.9
  Top Layer w5: v1(653.2,426.9) 653.2,429.9 664.05,440.75 IC23_DP5.28@664.05,462.7
  Top Layer w8: v1(2301.89,259.56) 2321.25,240.2 IC12.F11@2321.25,237.95
  MidLayer1 w5: v1(653.2,426.9) 686.2,459.9 686.2,488.1 715,516.9 744,516.9 833.8,606.7 1522.33,606.7 1566.13,562.9 2171.78,562.9 2263.2,471.48 2263.2,389.5 2263.2,360.9 2267.2,356.9 2269.2,354.9 2276.39,347.71 2276.39,285.06 v1(2301.89,259.56)
DP5_RD2: IC12.F7 IC23_DP5.27 | length 1852.5
  Top Layer w5: IC23_DP5.27@683.74,462.7 683.74,484.01 730.82,531.1 807.4,531.1 831.4,507.1 v1(837.8,507.1)
  Top Layer w8: v1(2144.41,259.56) 2163.77,240.2 IC12.F7@2163.77,237.95
  MidLayer1 w5: v1(837.8,507.1) 889.4,558.7 904.6,558.7 907.4,558.7 1502.45,558.7 1541.75,519.4 2140.3,519.4 2160.91,498.79 2160.91,391.9 ; v1(2144.41,259.56) 2160.91,276.06 2160.91,391.9 ; 2160.91,394.59 2160.91,391.9
DP5_RD3: IC12.F10 IC23_DP5.25 | length 1894.3
  Top Layer w5: IC23_DP5.25@723.11,462.7 v1@723.11,494.39
  Top Layer w8: v1@2260.27,259.56 IC12.F10@2281.88,237.95
  MidLayer1 w5: v1(723.2,495.9) 741.6,495.9 840.4,594.7 1517.36,594.7 1559.16,552.9 2164.81,552.9 2220.2,497.51 2220.2,454.3 2242.08,432.42 2242.08,276.06 v1(2258.58,259.56)
DP5_RD4: IC12.F8 IC23_DP5.24 | length 1843.7
  Top Layer w5: IC23_DP5.24@742.79,462.7 742.79,508.49 753.4,519.1 778.2,519.1 800.87,496.43 v1@803.91,496.43
  Top Layer w8: v1(2179.84,259.56) 2181.53,259.56 IC12.F8@2203.14,237.95
  MidLayer1 w5: v1@803.91,496.43 803.91,500.81 873.8,570.7 1507.42,570.7 1546.72,531.4 2145.27,531.4 2182.54,494.13 2182.54,404.56 2196.34,390.76 2196.34,276.06 v1(2179.84,259.56)
  other v1: 800.4,498.7
DP5_RD5: IC12.G9 IC23_DP5.23 | length 1855.8
  Top Layer w5: IC23_DP5.23@762.48,462.7 762.48,487.98 v1(772.4,497.9) ; v1(2223.15,220.19) 2223.15,217.94 IC12.G9@2242.51,198.58
  MidLayer1 w5: v1(772.4,497.9) 857.2,582.7 1512.39,582.7 1552.19,542.9 2157.84,542.9 2205.34,495.39 2205.34,237.99 v1(2223.15,220.19)
DP5_RD6: IC12.C5 IC23_DP5.22 | length 1501.4
  Top Layer w5: IC23_DP5.22@782.16,462.7 782.16,440.94 794.2,428.9 v1(794.8,428.9)
  Top Layer w8: v1(2065.67,377.67) 2085.02,358.31 IC12.C5@2085.02,356.06
  MidLayer1 w5: v1@795.2,428.9 v1(794.8,428.9) 888.4,428.9 969.4,509.9 1483.37,509.9 1522.57,470.7 1689.8,470.7 v1(1768.8,391.7)
  Bottom Layer w5: v1(1768.8,391.7) 1777.5,400.4 1856.2,400.4 1913.4,457.6 2016.8,457.6 2049.26,425.14 2049.26,405.17 2057.4,397.03 2057.4,385.93 v1(2065.67,377.67)
DP5_RD7: IC12.G8 IC23_DP5.21 | length 1727.1
  Top Layer w5: IC23_DP5.21@801.85,462.7 814,462.7 v1@831.4,480.1
  Top Layer w8: v1(2179.84,220.19) 2181.53,220.19 IC12.G8@2203.14,198.58
  MidLayer1 w5: v1@831.4,480.1 838.38,480.1 904.98,546.7 1497.48,546.7 1536.78,507.4 2114.5,507.4 2127.91,493.99 2127.91,389.5 ; 2127.91,395.01 2127.91,389.5 ; v1(2179.84,220.19) 2158.93,241.1 2139.53,241.1 2127.91,252.72 2127.91,389.5
  other v1: 833.4,477.3
DP5_RD8: IC12.G7 IC23_DP5.20 | length 1652.9
  Top Layer w5: IC23_DP5.20@830.39,434.16 830.39,445.82 863.07,478.5 863.6,477.97 v1(863.6,477.7)
  Top Layer w8: v1@2144.41,217.94 IC12.G7@2163.77,198.58
  MidLayer1 w5: v1(863.6,477.7) 920.6,534.7 1492.51,534.7 1531.81,495.4 2094.5,495.4 2108.2,481.7 2108.2,400.1 2117.6,390.7 2117.6,384.5 2117.6,246.99 v1(2144.41,220.19)